# KiCad board EBAZ4205.kicad_pcb (continued)
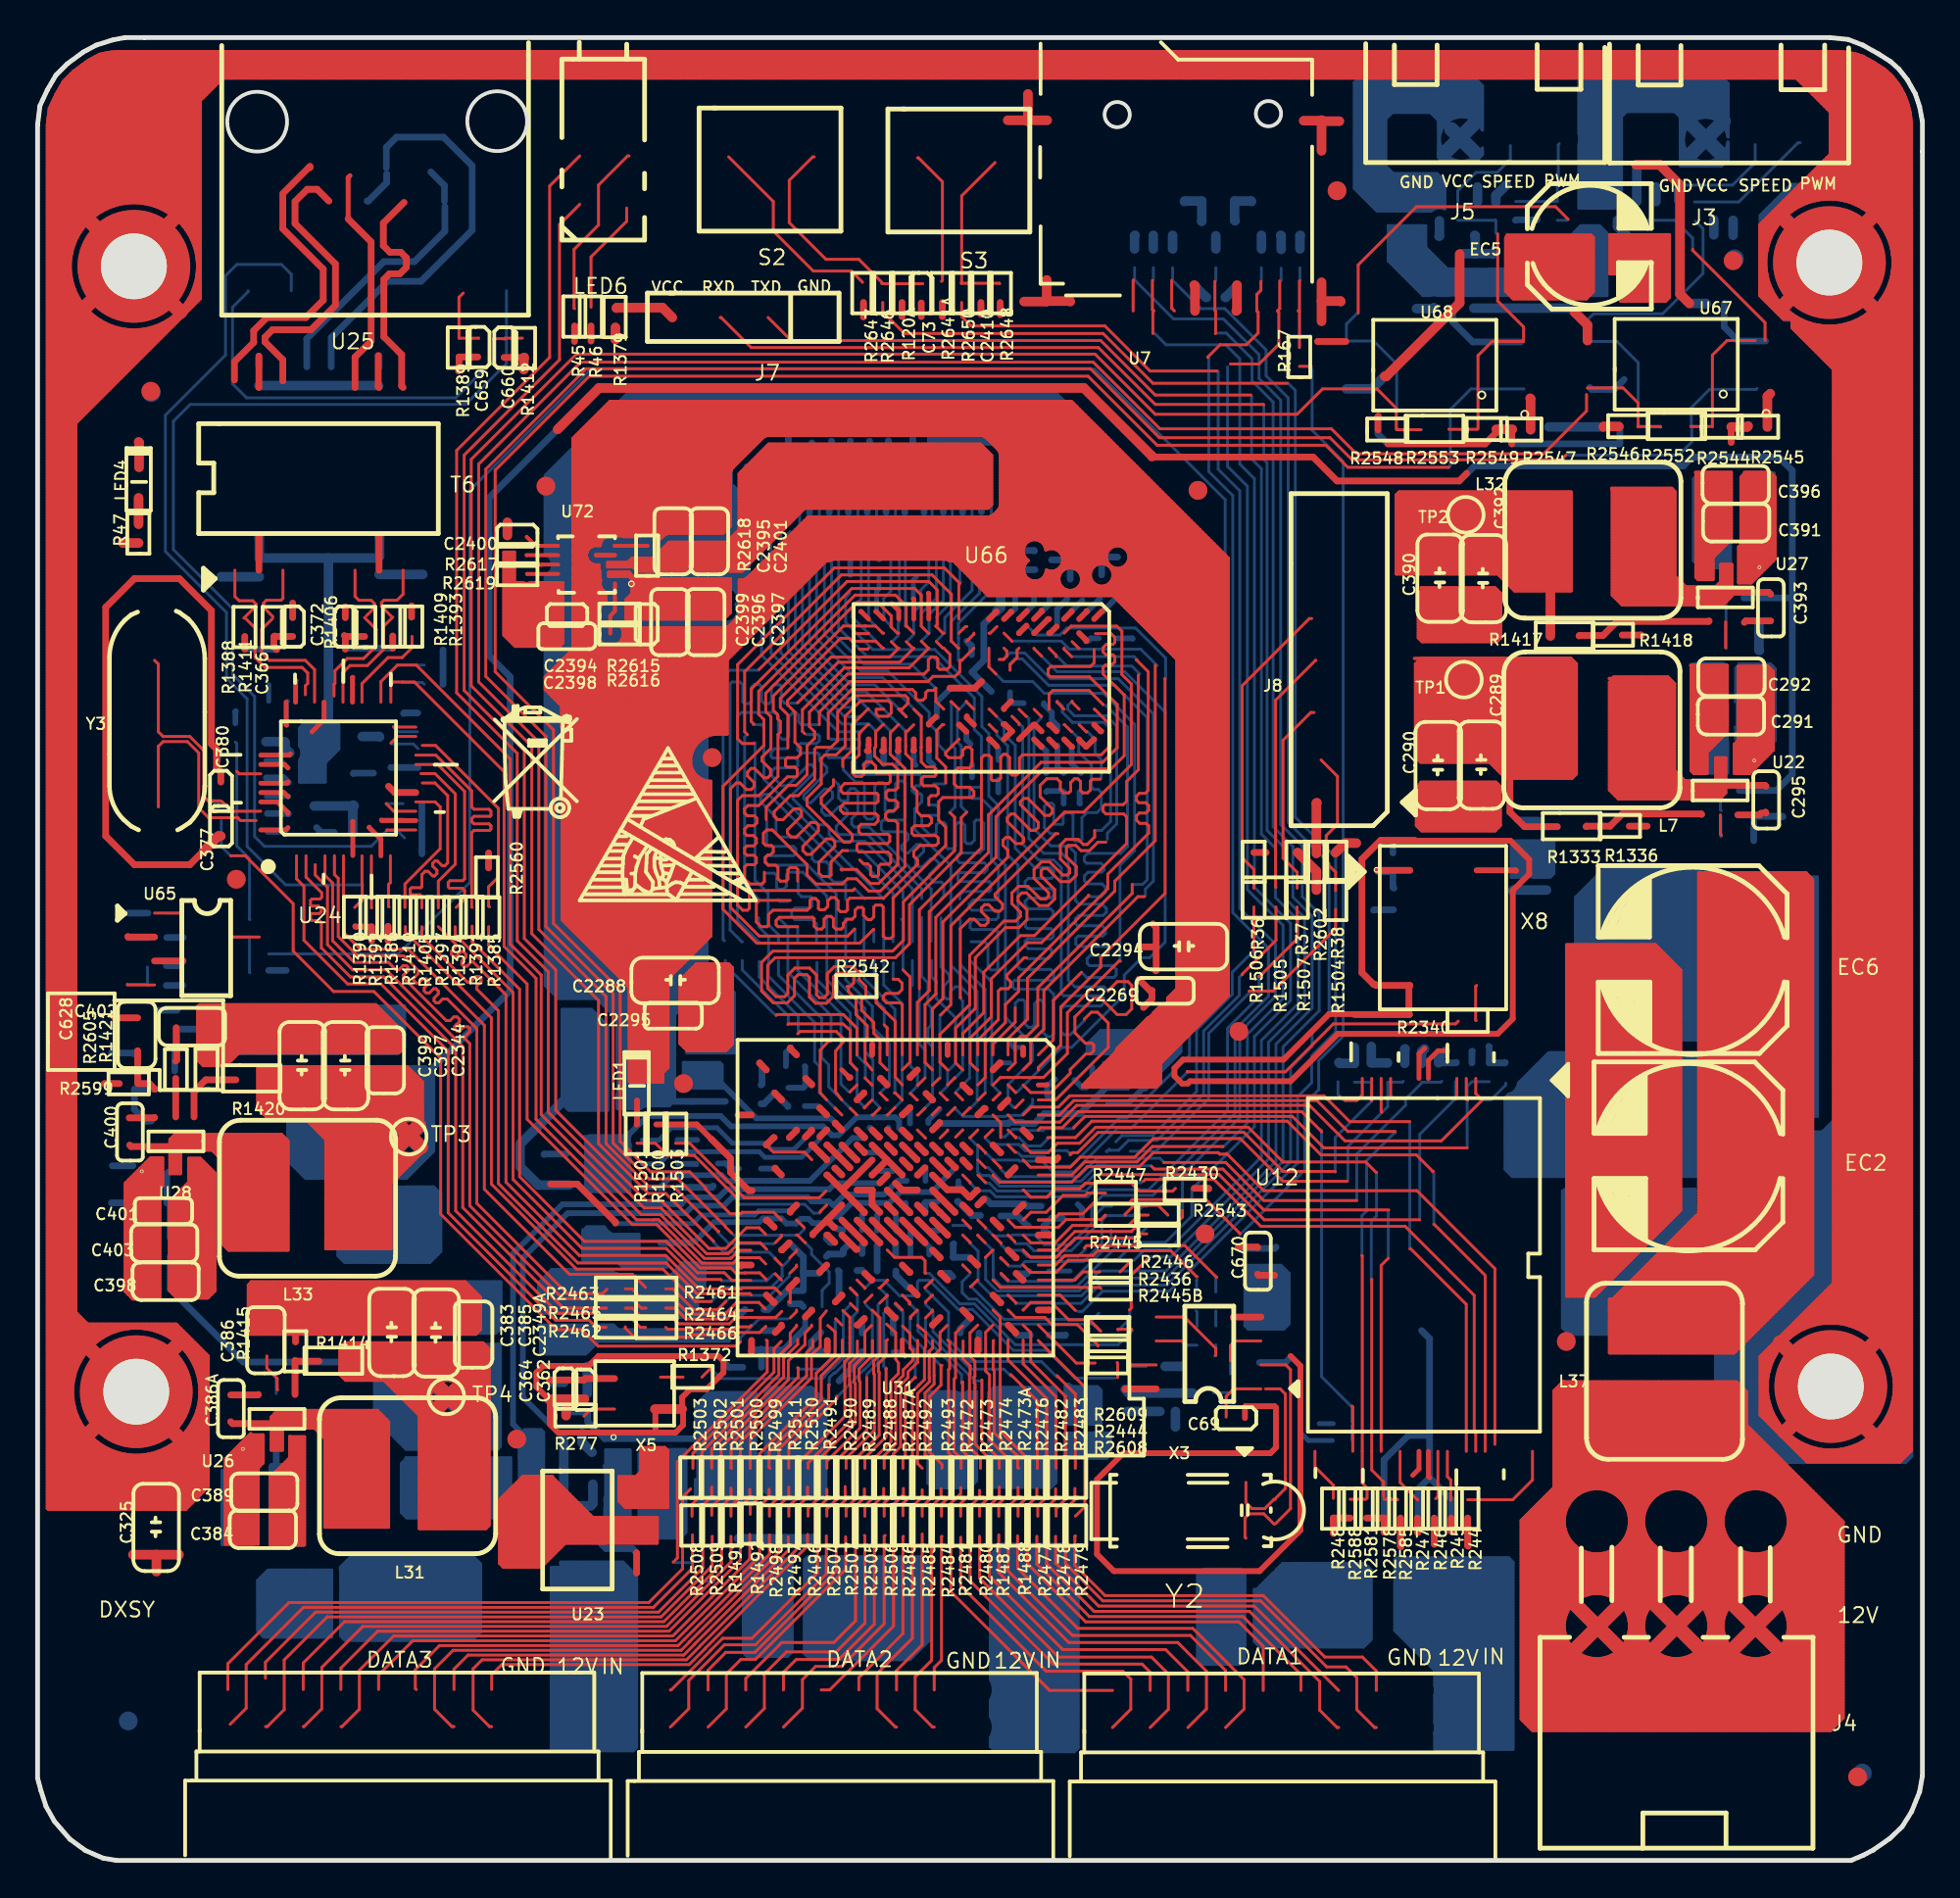
[diagram p0: board, top side]
## Routing (per net, layer and track width the routed paths; a pad name or vN(x,y) marks a point on that pad's centre or on a via; arc(x,y) is an arc through that point) (continued)
65.65,4.77 ; 0.55,5.15 8.17,5.15 ; 34.87,0.72 34.87,4.7 ; 0.54,32.28 1.9,32.28 ; 6.86,82.11 7.82,82.11 ; 0.53,82.11 3.39,82.11 ; 0.54,22.22 3.5,22.22 ; 92.63,26.86 92.63,27.9 ; 31.06,0.72 31.06,4.69 ; 94.46,0.72 94.46,5.49 ; 0.54,42.95 1.89,42.95 ; 0.54,47.67 1.89,47.67 ; 14.75,0.72 14.75,4.66 ; 0.53,86.38 2.27,86.38 ; 44.93,0.72 44.93,4.72 ; 0.55,14.14 8.25,14.14 ; 94.61,28.36 94.61,29.04 ; 6.78,15.36 8.26,15.36 ; 95.9,14.3 99.27,14.3 ; 95.9,13.69 99.27,13.69 ; 0.86,3.32 98.62,3.32 ; 67.03,0.72 67.03,4.77 ; 83.48,0.72 83.48,4.8 ; 4.69,79.03 4.69,81.64 ; 39.14,0.72 39.14,4.71 ; 2.56,26.76 2.56,28.49 ; 2.56,86.83 2.56,94.46 ; 66.87,0.72 66.87,4.77 ; 79.22,0.72 79.22,4.79 ; 7.98,16.28 8.26,16.28 ; 0.55,19.32 8.29,19.32 ; 0.53,83.79 2.06,83.79 ; 97.61,22.83 99.27,22.83 ; 42.03,0.72 42.03,4.72 ; 20.24,0.72 20.24,4.67 ; 1.31,92.17 8.53,92.17 ; 0.54,35.17 1.9,35.17 ; 13.38,0.72 13.38,4.66 ; 2.86,27.14 2.86,28.29 ; 83.03,0.72 83.03,4.8 ; 95.37,0.72 95.37,6.41 ; 18.56,0.72 18.56,4.67 ; 0.53,75.86 1.87,75.86 ; 49.5,0.72 49.5,4.73 ; 0.54,23.59 2.31,23.59 ; 67.18,0.72 67.18,4.77 ; 95.9,9.57 99.27,9.57 ; 0.55,6.98 8.19,6.98 ; 9.27,0.72 9.27,4.65 ; 42.79,0.72 42.79,4.72 ; 51.33,0.72 51.33,4.74 ; 95.48,6.52 99.27,6.52 ; 56.2,0.72 56.2,4.75 ; 97.43,22.68 99.27,22.68 ; 7.98,86.38 8.49,86.38 ; 0.53,83.48 2.19,83.48 ; 69.46,0.72 69.46,4.77 ; 0.54,42.34 1.89,42.34 ; 16.58,0.72 16.58,4.66 ; 7.74,16.68 7.74,22.88 ; 0.53,55.75 1.89,55.75 ; 92.58,27.86 93.54,27.86 ; 98.6,25.88 99.27,25.88 ; 37.61,0.72 37.61,4.71 ; 94.12,5.15 99.27,5.15 ; 4.08,78.43 4.08,81.78 ; 8.24,83.94 8.48,83.94 ; 40.2,0.72 40.2,4.71 ; 91.87,0.72 91.87,4.82 ; 95.9,8.35 99.27,8.35 ; 0.54,31.21 1.9,31.21 ; 95.82,19.63 99.27,19.63 ; 15.82,0.72 15.82,4.66 ; 48.13,0.72 48.13,4.73 ; 14.45,0.72 14.45,4.66 ; 36.7,0.72 36.7,4.71 ; 80.59,0.72 80.59,4.8 ; 95.83,19.62 95.83,22.01 ; 0.54,20.39 8.3,20.39 ; 95.9,14.6 99.27,14.6 ; 10.03,0.72 10.03,4.65 ; 0.55,16.89 8.27,16.89 ; 0.54,53.16 1.89,53.16 ; 0.53,87.14 2.83,87.14 ; 5.76,80.08 5.76,81.67 ; 0.55,9.88 8.21,9.88 ; 0.53,57.42 1.88,57.42 ; 0.54,50.11 1.89,50.11 ; 12.31,0.72 12.31,4.66 ; 0.54,30.6 1.9,30.6 ; 69.62,0.72 69.62,4.77 ; 43.25,0.72 43.25,4.72 ; 0.53,88.06 4.65,88.06 ; 74.04,0.72 74.04,4.78 ; 74.95,0.72 74.95,4.78 ; 0.53,61.84 1.88,61.84 ; 5.91,87.99 5.91,96.02 ; 76.93,0.72 76.93,4.79 ; 7.06,87.45 8.5,87.45 ; 8.13,86.08 8.49,86.08 ; 98.26,26.79 99.27,26.79 ; 8.36,85.01 8.49,85.01 ; 0.53,62.15 1.88,62.15 ; 93.24,27.62 93.24,28.47 ; 5.15,79.48 5.15,81.61 ; 32.13,0.72 32.13,4.7 ; 0.54,39.14 1.89,39.14 ; 81.35,0.72 81.35,4.8 ; 1.21,91.87 8.52,91.87 ; 95.33,6.37 99.27,6.37 ; 0.54,49.5 1.89,49.5 ; 95.9,15.97 99.27,15.97 ; 0.53,81.2 6.89,81.2 ; 0.55,8.35 8.2,8.35 ; 92.95,22.52 93.63,22.52 ; 47.67,0.72 47.67,4.73 ; 0.54,42.64 1.89,42.64 ; 58.19,0.72 58.19,4.75 ; 57.27,0.72 57.27,4.75 ; 2.74,94.61 8.54,94.61 ; 0.53,73.73 1.88,73.73 ; 3.63,87.72 3.63,95.35 ; 0.55,6.22 8.18,6.22 ; 0.54,37.16 1.89,37.16 ; 6.07,28.09 6.07,28.31 ; 30.6,0.72 30.6,4.69 ; 0.53,64.13 1.88,64.13 ; 64.89,0.72 64.89,4.76 ; 2.41,1.42 2.41,23.39 ; 0.53,76.78 2.41,76.78 ; 33.8,0.72 33.8,4.7 ; 84.7,0.72 84.7,4.8 ; 95.9,12.47 99.27,12.47 ; 21.15,0.72 21.15,4.67 ; 7.44,16.72 7.44,22.56 ; 63.82,0.72 63.82,4.76 ; 0.54,35.02 1.9,35.02 ; 0.53,62.76 1.88,62.76 ; 0.54,39.75 1.89,39.75 ; 5.76,28.15 5.76,28.31 ; 0.53,70.68 1.88,70.68 ; 52.85,0.72 52.85,4.74 ; 2.41,26.51 2.41,28.64 ; 50.87,0.72 50.87,4.73 ; 19.63,0.72 19.63,4.67 ; 39.29,0.72 39.29,4.71 ; 2.56,1.34 2.56,23.14 ; 30.75,0.72 30.75,4.69 ; 1.49,2.25 1.49,92.75 ; 35.02,0.72 35.02,4.7 ; 0.53,86.53 2.35,86.53 ; 0.54,21.31 8.31,21.31 ; 95.9,9.72 99.27,9.72 ; 0.53,80.13 5.81,80.13 ; 91.65,25.57 92.2,25.57 ; 72.21,0.72 72.21,4.78 ; 0.54,37 1.9,37 ; 7.81,83.03 8.47,83.03 ; 7.56,86.99 8.5,86.99 ; 32.58,0.72 32.58,4.7 ; 94.3,21.16 94.3,22.18 ; 70.38,0.72 70.38,4.77 ; 92.48,26.57 92.48,27.76 ; 1.07,91.41 8.52,91.41 ; 0.55,9.57 8.21,9.57 ; 0.54,24.81 2.01,24.81 ; 0.54,23.74 2.24,23.74 ; 40.96,0.72 40.96,4.71 ; 0.54,27.55 3.32,27.55 ; 48.89,0.72 48.89,4.73 ; 3.11,1.04 96.34,1.04 ; 0.55,19.02 8.29,19.02 ; 98.72,3.42 98.72,29.04 ; 0.53,85.77 2.02,85.77 ; 0.55,11.86 8.23,11.86 ; 0.53,69.92 1.88,69.92 ; 54.53,0.72 54.53,4.74 ; 3.17,1 3.17,22.46 ; 0.54,47.21 1.89,47.21 ; 98.52,26.18 99.27,26.18 ; 92.93,27.3 92.93,28.19 ; 17.34,0.72 17.34,4.67 ; 85.16,0.72 85.16,4.81 ; 91.76,27.1 92.78,27.1 ; 71.44,0.72 71.44,4.78 ; 30.96,4.69 99.27,4.69 ; 69.92,0.72 69.92,4.77 ; 95.9,12.16 99.27,12.16 ; 0.53,87.9 4.04,87.9 ; 90.8,0.72 90.8,4.82 ; 7.08,82.27 7.98,82.27 ; 95.9,17.8 99.27,17.8 ; 91.1,0.72 91.1,4.82 ; 50.26,0.72 50.26,4.73 ; 0.52,89.43 8.51,89.43 ; 51.18,0.72 51.18,4.74 ; 0.53,80.28 5.97,80.28 ; 5.04,95.83 8.55,95.83 ; 24.66,0.72 24.66,4.68 ; 0.54,28.77 2.28,28.77 ; 92.63,0.72 92.63,4.82 ; 86.38,0.72 86.38,4.81 ; 0.54,45.54 1.89,45.54 ; 0.53,54.99 1.89,54.99 ; 0.53,86.99 2.69,86.99 ; 47.98,0.72 47.98,4.73 ; 0.53,72.82 1.88,72.82 ; 0.53,62.61 1.88,62.61 ; 95.36,20.09 99.27,20.09 ; 95.98,0.72 95.98,22.03 ; 42.49,0.72 42.49,4.72 ; 98.57,26 98.57,29.04 ; 0.54,27.86 3.82,27.86 ; 0.54,46.6 1.89,46.6 ; 0.55,19.17 8.29,19.17 ; 95.37,28.47 95.37,29.04 ; 69.01,0.72 69.01,4.77 ; 0.55,12.01 8.23,12.01 ; 8.27,85.62 8.49,85.62 ; 0.53,67.64 1.88,67.64 ; 55.6,0.72 55.6,4.74 ; 6.21,87.9 8.5,87.9 ; 38.83,0.72 38.83,4.71 ; 0.53,64.43 1.88,64.43 ; 95.9,12.92 99.27,12.92 ; 85.62,0.72 85.62,4.81 ; 5.73,95.98 8.55,95.98 ; 3.17,27.44 3.17,28.29 ; 1.45,92.63 8.53,92.63 ; 0.54,25.27 2.02,25.27 ; 46.76,0.72 46.76,4.73 ; 8.25,26.18 8.35,26.18 ; 0.54,25.73 2.1,25.73 ; 0.54,26.33 2.32,26.33 ; 0.53,84.86 1.88,84.86 ; 93.39,27.75 93.39,28.61 ; 7.89,86.53 7.89,96.06 ; 0.54,44.47 1.89,44.47 ; 7.21,22.37 8.31,22.37 ; 0.54,24.2 2.1,24.2 ; 41.42,0.72 41.42,4.72 ; 0.53,87.6 3.41,87.6 ; 6.59,81.96 7.67,81.96 ; 92.91,28.16 94.06,28.16 ; 7.56,15.82 8.26,15.82 ; 55.75,0.72 55.75,4.74 ; 5.61,88.06 5.61,95.95 ; 7.59,81.88 7.59,82.74 ; 95.9,10.33 99.27,10.33 ; 3.29,95.07 8.54,95.07 ; 6.52,15.79 6.52,21.97 ; 0.53,71.75 1.88,71.75 ; 62.15,0.72 62.15,4.76 ; 95.9,16.58 99.27,16.58 ; 93.7,0.72 93.7,4.82 ; 0.55,16.28 4.62,16.28 ; 7.42,87.14 8.5,87.14 ; 0.53,60.02 1.88,60.02 ; 0.54,19.48 8.29,19.48 ; 29.84,0.72 29.84,4.69 ; 95.52,28.46 95.52,29.04 ; 44.62,0.72 44.62,4.72 ; 0.53,85.16 1.9,85.16 ; 92.17,23.32 92.17,27.48 ; 5,16.73 5,21.72 ; 95.9,16.43 99.27,16.43 ; 0.55,11.7 8.23,11.7 ; 1.6,93.09 8.53,93.09 ; 24.51,0.72 24.51,4.68 ; 93.85,21.62 93.85,22.39 ; 4.08,87.92 4.08,95.62 ; 0.54,48.13 1.89,48.13 ; 0.54,25.57 2.07,25.57 ; 80.13,0.72 80.13,4.79 ; 72.66,0.72 72.66,4.78 ; 44.01,0.72 44.01,4.72 ; 90.04,0.72 90.04,4.82 ; 96.64,22.22 99.27,22.22 ; 98.64,24.81 99.27,24.81 ; 0.53,78.15 3.8,78.15 ; 83.79,0.72 83.79,4.8 ; 4.69,16.53 4.69,21.76 ; 0.53,71.29 1.88,71.29 ; 98.42,26.47 98.42,29.04 ; 0.53,64.74 1.88,64.74 ; 60.32,0.72 60.32,4.75 ; 6.67,15.67 6.67,22.04 ; 95.9,13.99 99.27,13.99 ; 92.8,22.68 93.42,22.68 ; 96.59,28.25 96.59,29.04 ; 78.76,0.72 78.76,4.79 ; 4.36,95.68 8.55,95.68 ; 0.53,64.89 1.88,64.89 ; 0.54,32.43 1.9,32.43 ; 77.24,0.72 77.24,4.79 ; 35.63,0.72 35.63,4.7 ; 6.83,27.78 6.83,27.95 ; 5.61,79.93 5.61,81.64 ; 6.07,0.72 6.07,15 ; 95.9,17.65 99.27,17.65 ; 7.89,82.18 7.89,83.17 ; 95.9,10.79 99.27,10.79 ; 93.24,22.24 93.24,22.83 ; 0.53,70.99 1.88,70.99 ; 95.9,15.82 99.27,15.82 ; 10.18,0.72 10.18,4.65 ; 60.17,0.72 60.17,4.75 ; 8.12,23.44 8.32,23.44 ; 2.55,94.46 8.54,94.46 ; 2.26,76.63 2.26,83.34 ; 3.93,27.91 3.93,28.3 ; 1.22,2.71 98.01,2.71 ; 67.33,0.72 67.33,4.77 ; 0.53,85.62 1.98,85.62 ; 0.53,60.93 1.88,60.93 ; 95.06,20.39 99.27,20.39 ; 43.1,0.72 43.1,4.72 ; 24.05,0.72 24.05,4.68 ; 0.54,49.35 1.89,49.35 ; 26.18,0.72 26.18,4.68 ; 0.53,72.05 1.88,72.05 ; 0.53,63.06 1.88,63.06 ; 37.76,0.72 37.76,4.71 ; 75.56,0.72 75.56,4.79 ; 95.9,18.11 99.27,18.11 ; 24.2,0.72 24.2,4.68 ; 0.53,73.88 1.88,73.88 ; 61.39,0.72 61.39,4.76 ; 13.69,0.72 13.69,4.66 ; 27.71,0.72 27.71,4.69 ; 90.65,0.72 90.65,4.82 ; 98.34,26.64 99.27,26.64 ; 56.81,0.72 56.81,4.75 ; 8.35,82.63 8.35,84.54 ; 91.66,25.12 92.19,25.12 ; 95.9,10.18 99.27,10.18 ; 0.55,18.71 8.28,18.71 ; 0.54,44.32 1.89,44.32 ; 6.57,87.75 8.5,87.75 ; 83.94,0.72 83.94,4.8 ; 49.19,0.72 49.19,4.73 ; 0.53,72.51 1.88,72.51 ; 91.64,26.33 92.38,26.33 ; 62.76,0.72 62.76,4.76 ; 0.55,13.84 8.24,13.84 ; 73.43,0.72 73.43,4.78 ; 28.93,0.72 28.93,4.69 ; 0.55,16.43 4.64,16.43 ; 45.99,0.72 45.99,4.72 ; 93.7,27.97 93.7,28.9 ; 9.57,0.72 9.57,4.65 ; 0.53,76.17 1.87,76.17 ; 2.56,1.34 96.64,1.34 ; 0.54,42.49 1.89,42.49 ; 3.02,27.3 3.02,28.29 ; 87.14,0.72 87.14,4.81 ; 0.53,74.65 1.88,74.65 ; 44.32,0.72 44.32,4.72 ; 17.65,0.72 17.65,4.67 ; 95.9,15.51 99.27,15.51 ; 62,0.72 62,4.76 ; 7.93,23.13 8.32,23.13 ; 46.15,0.72 46.15,4.73 ; 8.36,84.7 8.48,84.7 ; 4.24,0.72 4.24,21.87 ; 94.46,21 99.27,21 ; 21,0.72 21,4.67 ; 5.6,88.06 8.5,88.06 ; 0.53,62.91 1.88,62.91 ; 0.55,4.24 99.27,4.24 ; 94.01,21.46 99.27,21.46 ; 0.53,77.24 2.87,77.24 ; 26.64,0.72 26.64,4.68 ; 38.22,0.72 38.22,4.71 ; 15.36,0.72 15.36,4.66 ; 7.56,22.68 8.32,22.68 ; 23.59,0.72 23.59,4.68 ; 5.91,28.12 5.91,28.31 ; 21.91,0.72 21.91,4.68 ; 8.28,84.09 8.48,84.09 ; 0.54,29.23 1.9,29.23 ; 0.54,24.35 2.06,24.35 ; 7.13,81.43 7.13,82.3 ; 26.33,0.72 26.33,4.68 ; 8.05,86.25 8.05,96.05 ; 98.65,25.57 99.27,25.57 ; 14.6,0.72 14.6,4.66 ; 21.76,0.72 21.76,4.67 ; 7.69,86.84 8.5,86.84 ; 0.54,45.23 1.89,45.23 ; 5.46,16.53 5.46,21.72 ; 70.07,0.72 70.07,4.77 ; 94,21.47 94,22.31 ; 55.44,0.72 55.44,4.74 ; 1.26,92.02 8.52,92.02 ; 0.52,88.36 8.5,88.36 ; 84.86,0.72 84.86,4.8 ; 0.54,35.33 1.9,35.33 ; 34.11,0.72 34.11,4.7 ; 0.55,12.62 8.23,12.62 ; 5.3,0.72 5.3,15.88 ; 5.61,0.72 5.61,21.73 ; 2.18,94.15 8.54,94.15 ; 98.59,24.51 99.27,24.51 ; 0.53,62.3 1.88,62.3 ; 77.69,0.72 77.69,4.79 ; 0.54,35.94 1.9,35.94 ; 3.63,27.76 3.63,28.3 ; 95.9,8.2 99.27,8.2 ; 96.13,0.83 96.13,22.06 ; 0.53,56.36 1.88,56.36 ; 0.53,86.69 2.45,86.69 ; 0.54,20.24 8.3,20.24 ; 53.77,0.72 53.77,4.74 ; 3.84,95.52 8.54,95.52 ; 71.75,0.72 71.75,4.78 ; 3.1,94.91 8.54,94.91 ; 0.55,17.04 8.27,17.04 ; 54.07,0.72 54.07,4.74 ; 0.53,83.64 2.12,83.64 ; 32.89,0.72 32.89,4.7 ; 5.46,0.72 5.46,16.02 ; 8.5,0.72 8.5,4.85 ; 0.53,65.65 1.88,65.65 ; 0.53,58.19 1.88,58.19 ; 20.09,0.72 20.09,4.67 ; 0.53,65.81 1.88,65.81 ; 0.53,58.34 1.88,58.34 ; 6.83,81.13 6.83,82.09 ; 0.53,60.62 1.88,60.62 ; 0.53,83.94 2.01,83.94 ; 50.72,0.72 50.72,4.73 ; 7.25,87.29 8.5,87.29 ; 89.58,0.72 89.58,4.81 ; 25.72,0.72 25.72,4.68 ; 8.66,0.72 8.66,4.71 ; 3.47,27.66 3.47,28.3 ; 0.53,61.54 1.88,61.54 ; 0.54,38.07 1.89,38.07 ; 33.04,0.72 33.04,4.7 ; 3.02,77.38 3.02,82.39 ; 95.9,18.41 99.27,18.41 ; 23.44,0.72 23.44,4.68 ; 13.53,0.72 13.53,4.66 ; 0.53,69.46 1.88,69.46 ; 1.02,91.26 8.52,91.26 ; 0.52,88.21 8.5,88.21 ; 40.36,0.72 40.36,4.71 ; 95.07,20.39 95.07,22 ; 92.02,0.72 92.02,4.82 ; 0.53,62 1.88,62 ; 0.54,32.74 1.9,32.74 ; 0.53,63.98 1.88,63.98 ; 49.65,0.72 49.65,4.73 ; 93.54,0.72 93.54,4.82 ; 94.91,20.54 99.27,20.54 ; 12.92,0.72 12.92,4.66 ; 6.22,15.82 6.22,21.86 ; 0.54,47.52 1.89,47.52 ; 7.89,16.54 7.89,23.08 ; 0.54,23.44 2.38,23.44 ; 0.53,77.54 3.18,77.54 ; 25.57,0.72 25.57,4.68 ; 6.76,15.51 8.26,15.51 ; 0.54,31.82 1.9,31.82 ; 8.06,86.23 8.49,86.23 ; 6.68,15.67 8.26,15.67 ; 2,94 8.54,94 ; 26.94,0.72 26.94,4.69 ; 0.54,50.72 1.89,50.72 ; 0.54,28.16 4.83,28.16 ; 7.7,82.88 8.47,82.88 ; 0.54,50.57 1.89,50.57 ; 72.82,0.72 72.82,4.78 ; 0.54,37.46 1.89,37.46 ; 0.88,3.28 0.88,90.83 ; 7.13,87.4 7.13,96.06 ; 0.53,75.26 1.87,75.26 ; 5.67,28.16 6.61,28.16 ; 98.62,24.66 99.27,24.66 ; 17.04,0.72 17.04,4.67 ; 6.32,28.01 6.76,28.01 ; 0.53,59.41 1.88,59.41 ; 94.43,5.46 99.27,5.46 ; 1.58,2.1 97.4,2.1 ; 0.54,51.48 1.89,51.48 ; 75.1,0.72 75.1,4.78 ; 43.4,0.72 43.4,4.72 ; 0.53,80.59 6.28,80.59 ; 0.53,66.26 1.88,66.26 ; 27.86,0.72 27.86,4.69 ; 0.55,7.13 8.19,7.13 ; 0.54,34.26 1.9,34.26 ; 56.97,0.72 56.97,4.75 ; 0.53,76.02 1.87,76.02 ; 0.53,83.33 2.26,83.33 ; 95.9,16.12 99.27,16.12 ; 23.29,0.72 23.29,4.68 ; 44.17,0.72 44.17,4.72 ; 0.54,39.44 1.89,39.44 ; 73.88,0.72 73.88,4.78 ; 0.54,46.91 1.89,46.91 ; 25.12,0.72 25.12,4.68 ; 0.55,10.64 8.22,10.64 ; 0.54,42.03 1.89,42.03 ; 29.08,0.72 29.08,4.69 ; 0.54,36.39 1.9,36.39 ; 95.9,10.03 99.27,10.03 ; 0.54,50.87 1.89,50.87 ; 8.96,0.72 8.96,4.65 ; 0.55,18.87 8.29,18.87 ; 37.15,0.72 37.15,4.71 ; 0.54,41.42 1.89,41.42 ; 95.9,17.19 99.27,17.19 ; 67.48,0.72 67.48,4.77 ; 69.77,0.72 69.77,4.77 ; 68.24,0.72 68.24,4.77 ; 0.53,77.08 2.72,77.08 ; 93.24,0.72 93.24,4.82 ; 72.05,0.72 72.05,4.78 ; 32.74,0.72 32.74,4.7 ; 35.94,0.72 35.94,4.7 ; 95.9,17.95 99.27,17.95 ; 5.46,88.07 5.46,95.92 ; 0.54,34.11 1.9,34.11 ; 0.53,59.71 1.88,59.71 ; 0.53,58.64 1.88,58.64 ; 16.12,0.72 16.12,4.66 ; 95.07,0.72 95.07,6.1 ; 51.94,0.72 51.94,4.74 ; 95.9,6.98 99.27,6.98 ; 94.88,5.91 99.27,5.91 ; 0.53,61.39 1.88,61.39 ; 41.88,0.72 41.88,4.72 ; 58.03,0.72 58.03,4.75 ; 18.26,0.72 18.26,4.67 ; 97.51,27.71 97.51,29.04 ; 0.55,10.33 8.22,10.33 ; 5.3,28.19 5.3,28.31 ; 97.35,27.83 97.35,29.04 ; 17.19,0.72 17.19,4.67 ; 70.99,0.72 70.99,4.78 ; 82.42,0.72 82.42,4.8 ; 36.39,0.72 36.39,4.7 ; 95.9,11.86 99.27,11.86 ; 95.52,19.93 99.27,19.93 ; 2.26,26.19 2.26,28.8 ; 91.71,23.78 91.71,27.05 ; 71.29,0.72 71.29,4.78 ; 0.54,24.96 2.01,24.96 ; 0.52,89.28 8.51,89.28 ; 78.3,0.72 78.3,4.79 ; 19.02,0.72 19.02,4.67 ; 0.53,85.92 2.07,85.92 ; 91.87,23.63 91.87,27.19 ; 0.54,45.08 1.89,45.08 ; 4.85,79.18 4.85,81.62 ; 95.9,9.27 99.27,9.27 ; 0.54,31.67 1.9,31.67 ; 95.83,28.44 95.83,29.04 ; 50.41,0.72 50.41,4.73 ; 0.55,13.38 8.24,13.38 ; 71.9,0.72 71.9,4.78 ; 28.47,0.72 28.47,4.69 ; 4.85,0.72 4.85,15.88 ; 94.61,0.72 94.61,5.64 ; 39.59,0.72 39.59,4.71 ; 0.53,60.47 1.88,60.47 ; 74.8,0.72 74.8,4.78 ; 1.76,1.8 97.1,1.8 ; 96.74,28.19 96.74,29.04 ; 0.55,14.45 8.25,14.45 ; 97.83,27.4 99.27,27.4 ; 15.51,0.72 15.51,4.66 ; 0.58,3.8 0.58,89.87 ; 0.54,48.43 1.89,48.43 ; 95.9,11.4 99.27,11.4 ; 0.53,81.35 7.05,81.35 ; 0.53,79.07 4.73,79.07 ; 0.53,86.23 2.19,86.23 ; 20.7,0.72 20.7,4.67 ; 5.51,16.12 7.09,16.12 ; 75.71,0.72 75.71,4.79 ; 56.36,0.72 56.36,4.75 ; 91.93,27.25 92.89,27.25 ; 0.53,76.93 2.56,76.93 ; 0.53,68.4 1.88,68.4 ; 0.55,15.97 4.73,15.97 ; 54.68,0.72 54.68,4.74 ; 69.16,0.72 69.16,4.77 ; 95.83,0.72 95.83,6.88 ; 92.48,0.72 92.48,4.82 ; 98.22,23.59 99.27,23.59 ; 0.54,47.98 1.89,47.98 ; 60.62,0.72 60.62,4.75 ; 0.52,88.67 8.51,88.67 ; 0.54,19.63 8.29,19.63 ; 11.25,0.72 11.25,4.65 ; 0.53,70.23 1.88,70.23 ; 2.86,77.23 2.86,82.53 ; 77.85,0.72 77.85,4.79 ; 94.91,0.72 94.91,5.95 ; 0.53,56.81 1.88,56.81 ; 0.53,74.04 1.88,74.04 ; 91.71,0.72 91.71,4.82 ; 79.67,0.72 79.67,4.79 ; 95.63,6.68 99.27,6.68 ; 33.34,0.72 33.34,4.7 ; 0.53,64.28 1.88,64.28 ; 0.54,43.1 1.89,43.1 ; 0.54,22.52 3.1,22.52 ; 98.42,3.12 98.42,23.98 ; 51.02,0.72 51.02,4.74 ; 1.04,3.02 1.04,91.31 ; 5.84,21.76 8.31,21.76 ; 97.22,22.52 99.27,22.52 ; 70.68,0.72 70.68,4.78 ; 0.54,46.3 1.89,46.3 ; 0.54,36.85 1.9,36.85 ; 98.38,23.9 99.27,23.9 ; 0.54,47.06 1.89,47.06 ; 26.79,0.72 26.79,4.69 ; 60.47,0.72 60.47,4.75 ; 6.98,81.28 6.98,82.19 ; 7.44,87.12 7.44,96.06 ; 77.08,0.72 77.08,4.79 ; 23.9,0.72 23.9,4.68 ; 11.09,0.72 11.09,4.65 ; 94.31,21.15 99.27,21.15 ; 0.53,77.85 3.49,77.85 ; 0.55,8.66 8.2,8.66 ; 23.13,0.72 23.13,4.68 ; 0.55,4.08 99.27,4.08 ; 93.56,28.77 99.27,28.77 ; 0.53,63.67 1.88,63.67 ; 72.97,0.72 72.97,4.78 ; 8.35,84.55 8.48,84.55 ; 0.54,52.24 1.89,52.24 ; 30.3,0.72 30.3,4.69 ; 48.58,0.72 48.58,4.73 ; 15.67,0.72 15.67,4.66 ; 3.47,77.83 3.47,82.06 ; 5.15,88.09 5.15,95.85 ; 96.9,28.11 96.9,29.04 ; 4.54,78.88 4.54,81.66 ; 0.55,4.39 99.27,4.39 ; 61.84,0.72 61.84,4.76 ; 3.78,27.84 3.78,28.3 ; 97.51,27.71 99.27,27.71 ; 11.7,0.72 11.7,4.65 ; 17.5,0.72 17.5,4.67 ; 21.61,0.72 21.61,4.67 ; 98.27,2.97 98.27,23.67 ; 94.3,28.27 94.3,29.04 ; 92.2,23.29 92.83,23.29 ; 94.76,28.4 94.76,29.04 ; 79.37,0.72 79.37,4.79 ; 0.53,57.12 1.88,57.12 ; 0.54,32.13 1.9,32.13 ; 24.81,0.72 24.81,4.68 ; 2.37,94.3 8.54,94.3 ; 8.05,26.59 8.05,26.76 ; 81.96,0.72 81.96,4.8 ; 7.27,82.42 8.13,82.42 ; 70.23,0.72 70.23,4.77 ; 8.18,26.33 8.35,26.33 ; 23.74,0.72 23.74,4.68 ; 59.56,0.72 59.56,4.75 ; 19.48,0.72 19.48,4.67 ; 91.67,24.05 92.4,24.05 ; 0.53,71.14 1.88,71.14 ; 93.7,21.78 93.7,22.48 ; 0.54,43.25 1.89,43.25 ; 0.54,28.47 2.58,28.47 ; 6.65,15.06 8.25,15.06 ; 99.03,3.73 99.03,29.04 ; 93.39,22.08 93.39,22.7 ; 28.77,0.72 28.77,4.69 ; 92.05,23.44 92.72,23.44 ; 3.02,1.09 3.02,22.6 ; 98.11,27.03 98.11,29.04 ; 0.55,15.67 5.97,15.67 ; 27.4,0.72 27.4,4.69 ; 13.84,0.72 13.84,4.66 ; 0.55,5 8.34,5 ; 91.63,26.79 92.59,26.79 ; 0.54,24.66 2.02,24.66 ; 3.32,0.92 3.32,22.34 ; 8.35,85.16 8.35,96.05 ; 2.1,1.59 2.1,24.17 ; 31.36,0.72 31.36,4.69 ; 8.5,88.27 8.5,96.05 ; 0.53,82.72 2.68,82.72 ; 84.09,0.72 84.09,4.8 ; 7.4,22.52 8.32,22.52 ; 0.82,90.65 8.52,90.65 ; 97.76,22.98 99.27,22.98 ; 22.98,0.72 22.98,4.68 ; 31.82,0.72 31.82,4.7 ; 1.84,93.85 8.54,93.85 ; 1.7,93.39 8.53,93.39 ; 5.3,88.09 5.3,95.89 ; 82.72,0.72 82.72,4.8 ; 0.53,67.03 1.88,67.03 ; 7.44,0.72 7.44,15.83 ; 1.74,93.54 8.53,93.54 ; 54.38,0.72 54.38,4.74 ; 5.51,16.43 7.09,16.43 ; 93.09,0.72 93.09,4.82 ; 75.41,0.72 75.41,4.79 ; 98.11,2.81 98.11,23.42 ; 25.27,0.72 25.27,4.68 ; 57.88,0.72 57.88,4.75 ; 0.53,77.39 3.03,77.39 ; 6.07,87.95 6.07,96.06 ; 93.85,28.06 93.85,29.04 ; 5,0.72 5,15.82 ; 80.74,0.72 80.74,4.8 ; 2.71,1.26 2.71,22.93 ; 6.27,28.32 6.45,28.32 ; 0.54,26.03 2.19,26.03 ; 0.54,31.06 1.9,31.06 ; 8.33,23.93 8.17,5.15 8.72,4.65 93.8,4.82 95.9,6.95 95.9,19.54 91.68,23.82 91.63,26.97 93.85,29.04 99.27,29.04 99.27,3.97 96.03,0.72 3.67,0.72 1.77,1.77 0.55,3.85 0.52,89.7 1.85,93.88 3.9,95.57 6.15,96.07 8.55,96.05 8.47,82.75 1.87,76.25 1.9,29.17 2.75,28.29 6.45,28.32 8.35,26.47 8.34,25.92 ; 0.54,52.7 1.89,52.7 ; 62.91,0.72 62.91,4.76 ; 0.53,72.66 1.88,72.66 ; 0.54,49.65 1.89,49.65 ; 0.53,55.9 1.89,55.9 ; 8.13,83.64 8.48,83.64 ; 27.25,0.72 27.25,4.69 ; 95.98,28.42 95.98,29.04 ; 0.53,86.84 2.56,86.84 ; 8.81,0.72 8.81,4.65 ; 95.52,0.72 95.52,6.57 ; 3.38,0.88 96.18,0.88 ; 0.55,12.92 8.24,12.92 ; 95.9,12.77 99.27,12.77 ; 95.9,7.89 99.27,7.89 ; 0.53,56.2 1.88,56.2 ; 1.34,2.51 1.34,92.27 ; 3.47,95.22 8.54,95.22 ; 7.7,22.83 8.32,22.83 ; 98.56,26.03 99.27,26.03 ; 81.66,0.72 81.66,4.8 ; 63.37,0.72 63.37,4.76 ; 95.9,8.81 99.27,8.81 ; 0.54,29.08 1.99,29.08 ; 96.13,28.39 96.13,29.04 ; 0.54,53.46 1.89,53.46 ; 98.88,3.58 98.88,29.04 ; 95.9,19.32 99.27,19.32 ; 93.86,21.61 99.27,21.61 ; 56.66,0.72 56.66,4.75 ; 6.07,15.75 6.07,21.81 ; 45.69,0.72 45.69,4.72 ; 91.66,24.66 92.23,24.66 ; 65.96,0.72 65.96,4.77 ; 95.78,6.83 99.27,6.83 ; 72.36,0.72 72.36,4.78 ; 40.05,0.72 40.05,4.71 ; 0.53,55.6 1.89,55.6 ; 0.55,10.79 8.22,10.79 ; 7.13,0.72 7.13,16.04 ; 0.54,31.36 1.9,31.36 ; 8.2,85.88 8.2,96.05 ; 0.54,28.01 4.18,28.01 ; 0.54,22.98 2.67,22.98 ; 0.54,46.76 1.89,46.76 ; 8.33,84.4 8.48,84.4 ; 91.65,25.42 92.19,25.42 ; 0.53,54.53 1.89,54.53 ; 98.55,24.35 99.27,24.35 ; 6.73,22.07 8.31,22.07 ; 51.79,0.72 51.79,4.74 ; 98.66,24.96 99.27,24.96 ; 0.55,13.08 8.24,13.08 ; 63.67,0.72 63.67,4.76 ; 58.95,0.72 58.95,4.75 ; 0.53,56.97 1.88,56.97 ; 83.64,0.72 83.64,4.8 ; 78.91,0.72 78.91,4.79 ; 83.33,0.72 83.33,4.8 ; 97.05,1.75 97.05,22.42 ; 6.37,87.84 6.37,96.07 ; 0.54,51.18 1.89,51.18 ; 0.59,3.78 99.08,3.78 ; 7.96,16.43 8.27,16.43 ; 89.28,0.72 89.28,4.81 ; 0.53,72.21 1.88,72.21 ; 90.19,0.72 90.19,4.82 ; 64.59,0.72 64.59,4.76 ; 76.02,0.72 76.02,4.79 ; 0.55,7.74 8.19,7.74 ; 0.53,76.63 2.25,76.63 ; 95.9,17.5 99.27,17.5 ; 70.53,0.72 70.53,4.78 ; 95.9,16.28 99.27,16.28 ; 3.32,27.56 3.32,28.3 ; 93.82,4.85 99.27,4.85 ; 7.57,82.72 8.44,82.72 ; 14.29,0.72 14.29,4.66 ; 0.54,35.78 1.9,35.78 ; 64.43,0.72 64.43,4.76 ; 55.9,0.72 55.9,4.75 ; 92.75,28.01 93.77,28.01 ; 3.93,0.72 3.93,21.99 ; 5.53,16.28 7.07,16.28 ; 30.14,0.72 30.14,4.69 ; 0.53,73.12 1.88,73.12 ; 42.18,0.72 42.18,4.72 ; 6.52,27.93 6.52,28.24 ; 31.21,0.72 31.21,4.69 ; 50.11,0.72 50.11,4.73 ; 0.54,29.84 1.9,29.84 ; 0.53,57.88 1.88,57.88 ; 0.53,69.31 1.88,69.31 ; 13.23,0.72 13.23,4.66 ; 95.9,7.13 99.27,7.13 ; 81.81,0.72 81.81,4.8 ; 4.08,27.97 4.08,28.3 ; 0.54,45.84 1.89,45.84 ; 0.53,78.46 4.11,78.46 ; 7.74,82.03 7.74,82.94 ; 3.02,87.31 3.02,94.84 ; 95.9,15.21 99.27,15.21 ; 95.9,8.96 99.27,8.96 ; 63.06,0.72 63.06,4.76 ; 0.53,83.03 2.44,83.03 ; 2.41,76.78 2.41,83.08 ; 13.08,0.72 13.08,4.66 ; 2.83,1.19 96.49,1.19 ; 0.54,52.09 1.89,52.09 ; 91.63,26.94 92.68,26.94 ; 95.9,19.02 99.27,19.02 ; 0.55,7.89 8.2,7.89 ; 94.3,0.72 94.3,5.33 ; 0.55,9.42 8.21,9.42 ; 95.9,18.71 99.27,18.71 ; 95.9,7.28 99.27,7.28 ; 0.53,54.22 1.89,54.22 ; 88.51,0.72 88.51,4.81 ; 7.28,87.27 7.28,96.06 ; 94.73,5.76 99.27,5.76 ; 0.55,12.77 8.24,12.77 ; 0.53,68.09 1.88,68.09 ; 47.82,0.72 47.82,4.73 ; 83.18,0.72 83.18,4.8 ; 0.77,3.47 98.78,3.47 ; 0.53,57.73 1.88,57.73 ; 4.69,28.14 4.69,28.31 ; 0.55,10.48 8.22,10.48 ; 0.53,70.84 1.88,70.84 ; 98.41,26.49 99.27,26.49 ; 6.83,0.72 6.83,22.12 ; 0.55,17.34 8.27,17.34 ; 66.57,0.72 66.57,4.77 ; 0.53,65.04 1.88,65.04 ; 0.53,61.69 1.88,61.69 ; 16.73,0.72 16.73,4.66 ; 94.46,21 94.46,22.13 ; 95.9,18.26 99.27,18.26 ; 3.66,0.73 96.03,0.73 ; 0.55,8.81 8.2,8.81 ; 0.53,69.16 1.88,69.16 ; 95.9,13.38 99.27,13.38 ; 18.1,0.72 18.1,4.67 ; 91.66,24.96 92.19,24.96 ; 47.52,0.72 47.52,4.73 ; 93.54,27.86 93.54,28.75 ; 28.01,0.72 28.01,4.69 ; 0.53,83.18 2.35,83.18 ; 48.43,0.72 48.43,4.73 ; 66.42,0.72 66.42,4.77 ; 0.97,91.1 8.52,91.1 ; 91.65,25.27 92.18,25.27 ; 93.24,28.47 99.27,28.47 ; 0.55,15.51 5.89,15.51 ; 0.54,21.76 4.66,21.76 ; 90.95,0.72 90.95,4.82 ; 0.53,67.33 1.88,67.33 ; 10.79,0.72 10.79,4.65 ; 95.9,14.75 99.27,14.75 ; 1.12,91.56 8.52,91.56 ; 0.54,33.5 1.9,33.5 ; 0.54,22.83 2.8,22.83 ; 0.78,90.5 8.52,90.5 ; 95.9,11.09 99.27,11.09 ; 0.54,45.69 1.89,45.69 ; 56.51,0.72 56.51,4.75 ; 99.18,3.88 99.18,29.04 ; 95.68,0.72 95.68,6.72 ; 0.53,79.83 5.5,79.83 ; 5,28.18 5,28.31 ; 2.56,76.93 2.56,82.87 ; 1.55,92.93 8.53,92.93 ; 0.54,25.88 2.14,25.88 ; 24.35,0.72 24.35,4.68 ; 6.98,27.69 6.98,27.8 ; 93.11,22.37 93.89,22.37 ; 4.54,88.04 4.54,95.72 ; 93.73,28.93 99.27,28.93 ; 8.31,85.47 8.49,85.47 ; 62.3,0.72 62.3,4.76 ; 7.28,81.58 7.28,82.43 ; 98.02,23.29 99.27,23.29 ; 0.55,11.09 8.22,11.09 ; 0.54,42.79 1.89,42.79 ; 68.09,0.72 68.09,4.77 ; 90.49,0.72 90.49,4.82 ; 94.46,28.32 94.46,29.04 ; 49.04,0.72 49.04,4.73 ; 30.45,0.72 30.45,4.69 ; 10.94,0.72 10.94,4.65 ; 0.54,27.71 3.54,27.71 ; 22.52,0.72 22.52,4.68 ; 34.41,0.72 34.41,4.7 ; 25.42,0.72 25.42,4.68 ; 53,0.72 53,4.74 ; 0.54,24.05 2.14,24.05 ; 95.22,20.23 95.22,21.99 ; 6.52,87.77 6.52,96.07 ; 91.64,26.03 92.29,26.03 ; 65.2,0.72 65.2,4.76 ; 0.53,85.47 1.94,85.47 ; 40.66,0.72 40.66,4.71 ; 24.96,0.72 24.96,4.68 ; 0.53,75.56 1.87,75.56 ; 7.92,26.79 8.01,26.79 ; 0.63,90.04 8.51,90.04